# Altium PCB MB1166.PcbDoc (part 37 of 39) (continued)
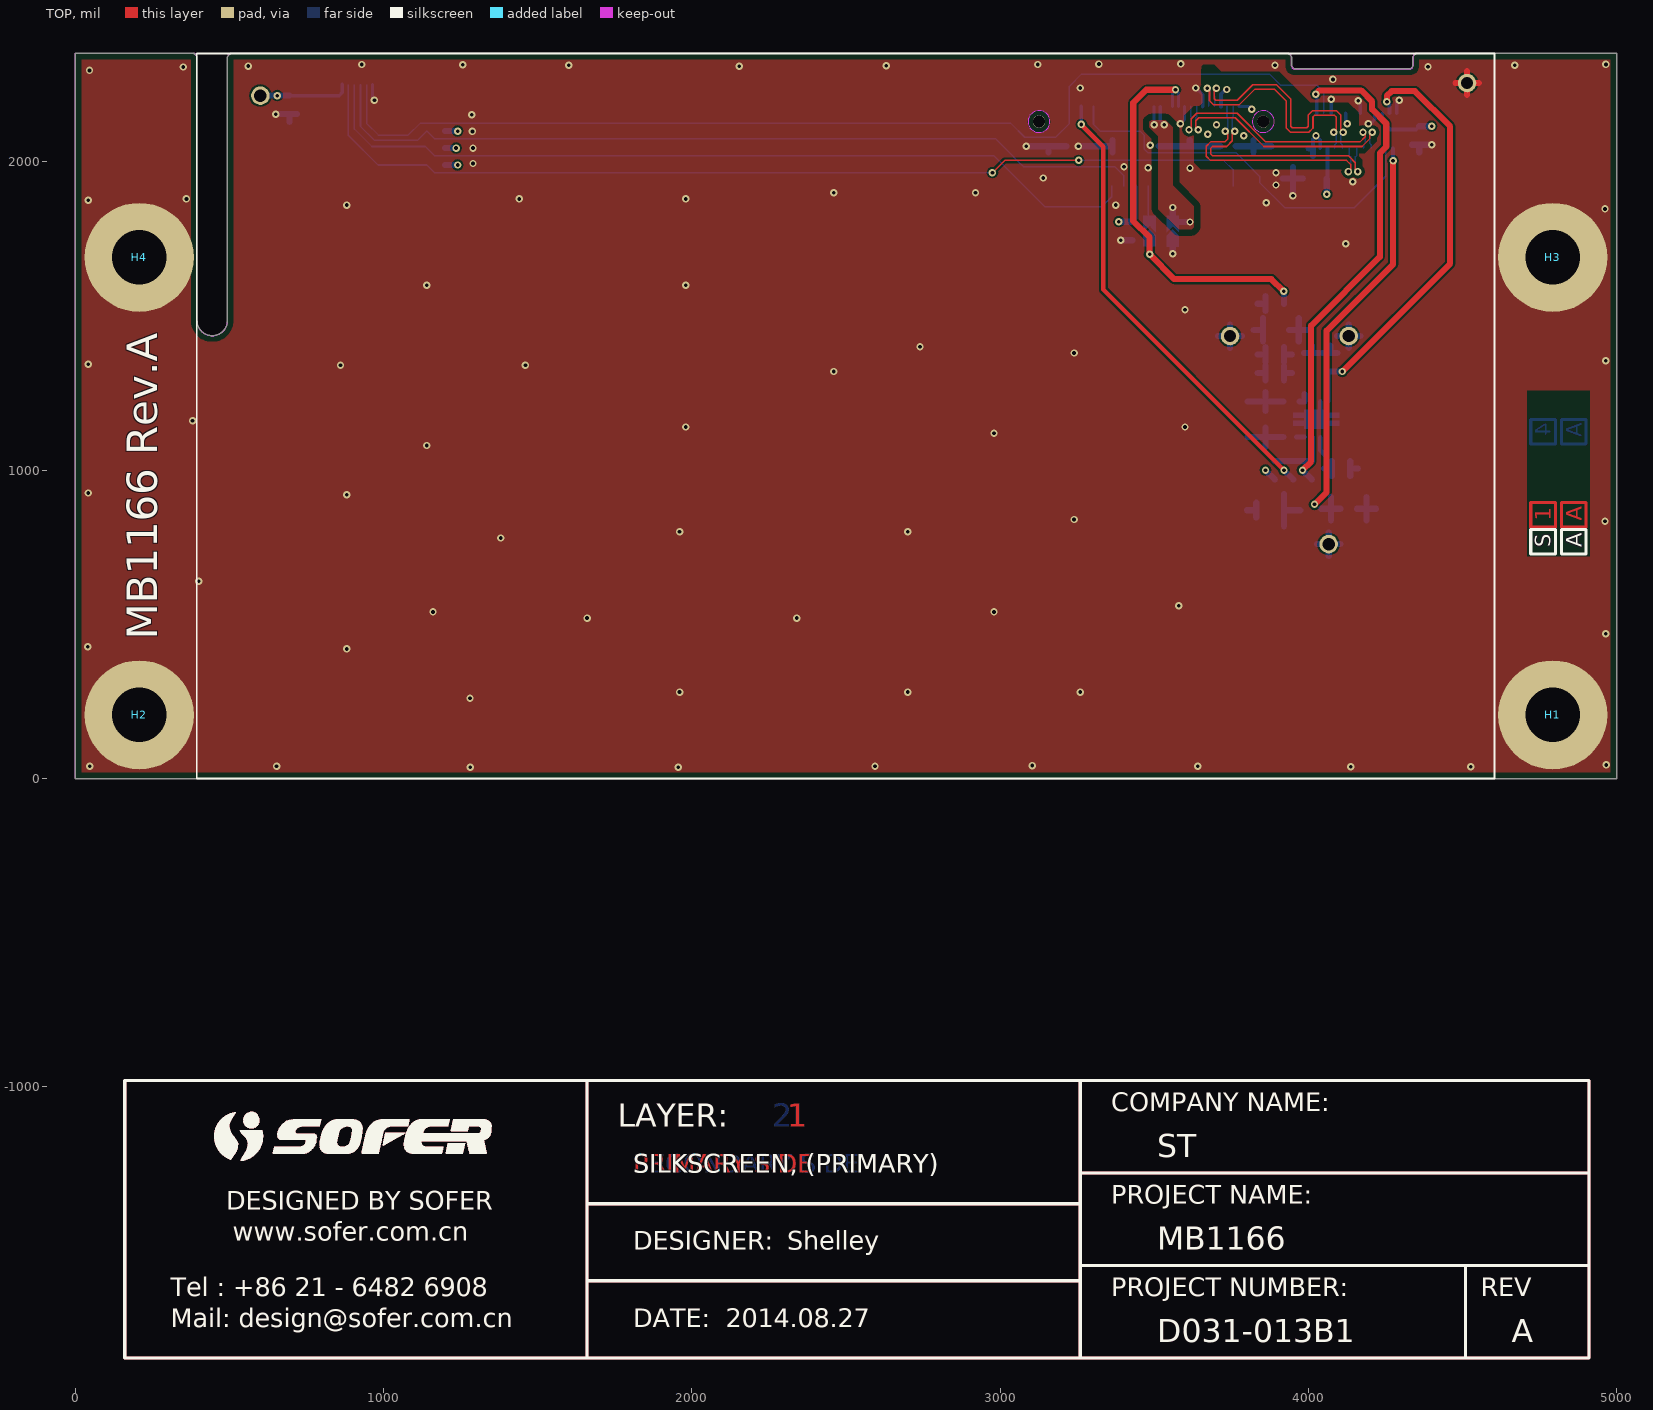
[diagram p0: TOP view]
## Nets (pads, with @x,y where several pads share a name; then routed paths per layer and width w, separated by ;. In a path a pad name is that pad's centre, name@x,y a point inside that pad or via, vN(x,y) a via of type N, cw(c..) or ccw(c..) an arc to the next point about the centre after c; other vN are vias at no path point) (continued)
; 551.03,-1216.42 551.13,-1216.24 ; 551.07,-1162.3 551.13,-1162.37 ; 551.07,-1162.3 551.13,-1162.37 ; 551.13,-1216.24 551.18,-1216.16 ; 551.13,-1216.24 551.18,-1216.16 ; 551.13,-1162.37 551.2,-1162.45 ; 551.13,-1162.37 551.2,-1162.45 ; 551.18,-1216.16 551.33,-1215.89 ; 551.18,-1216.16 551.33,-1215.89 ; 551.2,-1162.45 551.26,-1162.53 ; 551.2,-1162.45 551.26,-1162.53 ; 551.26,-1162.53 551.33,-1162.6 ; 551.26,-1162.53 551.33,-1162.6 ; 551.33,-1215.89 551.38,-1215.81 ; 551.33,-1215.89 551.38,-1215.81 ; 551.33,-1162.6 551.39,-1162.68 ; 551.33,-1162.6 551.39,-1162.68 ; 551.38,-1215.81 551.48,-1215.63 ; 551.38,-1215.81 551.48,-1215.63 ; 551.39,-1162.68 551.46,-1162.75 ; 551.39,-1162.68 551.46,-1162.75 ; 551.46,-1162.75 551.52,-1162.83 ; 551.46,-1162.75 551.52,-1162.83 ; 551.48,-1215.63 551.53,-1215.55 ; 551.48,-1215.63 551.53,-1215.55 ; 551.52,-1162.83 551.59,-1162.91 ; 551.52,-1162.83 551.59,-1162.91 ; 551.53,-1215.55 551.58,-1215.46 ; 551.53,-1215.55 551.58,-1215.46 ; 551.58,-1215.46 551.62,-1215.37 ; 551.58,-1215.46 551.62,-1215.37 ; 551.62,-1215.37 551.67,-1215.28 ; 551.62,-1215.37 551.67,-1215.28 ; 551.59,-1162.91 551.65,-1162.98 ; 551.59,-1162.91 551.65,-1162.98 ; 551.67,-1215.28 551.72,-1215.2 ; 551.67,-1215.28 551.72,-1215.2 ; 551.65,-1162.98 551.72,-1163.06 ; 551.65,-1162.98 551.72,-1163.06 ; 551.72,-1215.2 551.82,-1215.02 ; 551.72,-1215.2 551.82,-1215.02 ; 551.72,-1163.06 551.78,-1163.14 ; 551.72,-1163.06 551.78,-1163.14 ; 551.82,-1215.02 551.87,-1214.94 ; 551.82,-1215.02 551.87,-1214.94 ; 551.78,-1163.14 551.84,-1163.21 ; 551.78,-1163.14 551.84,-1163.21 ; 551.87,-1214.94 551.97,-1214.76 ; 551.87,-1214.94 551.97,-1214.76 ; 551.84,-1163.21 551.91,-1163.29 ; 551.84,-1163.21 551.91,-1163.29 ; 551.91,-1163.29 551.97,-1163.37 ; 551.91,-1163.29 551.97,-1163.37 ; 551.97,-1214.76 552.01,-1214.67 ; 551.97,-1214.76 552.01,-1214.67 ; 551.97,-1163.37 552.04,-1163.44 ; 551.97,-1163.37 552.04,-1163.44 ; 552.01,-1214.67 552.06,-1214.59 ; 552.01,-1214.67 552.06,-1214.59 ; 552.06,-1214.59 552.21,-1214.32 ; 552.06,-1214.59 552.21,-1214.32 ; 552.04,-1163.44 552.16,-1163.6 ; 552.04,-1163.44 552.16,-1163.6 ; 552.16,-1163.6 552.23,-1163.68 ; 552.16,-1163.6 552.23,-1163.68 ; 552.21,-1214.32 552.26,-1214.24 ; 552.21,-1214.32 552.26,-1214.24 ; 552.26,-1214.24 552.31,-1214.15 ; 552.26,-1214.24 552.31,-1214.15 ; 552.23,-1163.68 552.29,-1163.75 ; 552.23,-1163.68 552.29,-1163.75 ; 552.31,-1214.15 552.35,-1214.06 ; 552.31,-1214.15 552.35,-1214.06 ; 552.29,-1163.75 552.35,-1163.83 ; 552.29,-1163.75 552.35,-1163.83 ; 552.35,-1214.06 552.4,-1213.97 ; 552.35,-1214.06 552.4,-1213.97 ; 552.35,-1163.83 552.42,-1163.91 ; 552.35,-1163.83 552.42,-1163.91 ; 552.4,-1213.97 552.45,-1213.89 ; 552.4,-1213.97 552.45,-1213.89 ; 552.42,-1163.91 552.48,-1163.99 ; 552.42,-1163.91 552.48,-1163.99 ; 552.45,-1213.89 552.55,-1213.71 ; 552.45,-1213.89 552.55,-1213.71 ; 552.48,-1163.99 552.54,-1164.06 ; 552.48,-1163.99 552.54,-1164.06 ; 552.55,-1213.71 552.59,-1213.62 ; 552.55,-1213.71 552.59,-1213.62 ; 552.54,-1164.06 552.6,-1164.14 ; 552.54,-1164.06 552.6,-1164.14 ; 552.59,-1213.62 552.64,-1213.54 ; 552.59,-1213.62 552.64,-1213.54 ; 552.6,-1164.14 552.67,-1164.22 ; 552.6,-1164.14 552.67,-1164.22 ; 552.64,-1213.54 552.79,-1213.27 ; 552.64,-1213.54 552.79,-1213.27 ; 552.67,-1164.22 552.79,-1164.38 ; 552.67,-1164.22 552.79,-1164.38 ; 552.79,-1213.27 552.83,-1213.18 ; 552.79,-1213.27 552.83,-1213.18 ; 552.79,-1164.38 552.85,-1164.45 ; 552.79,-1164.38 552.85,-1164.45 ; 552.83,-1213.18 552.88,-1213.1 ; 552.83,-1213.18 552.88,-1213.1 ; 552.85,-1164.45 552.92,-1164.53 ; 552.85,-1164.45 552.92,-1164.53 ; 552.88,-1213.1 552.98,-1212.92 ; 552.88,-1213.1 552.98,-1212.92 ; 552.92,-1164.53 553.16,-1164.85 ; 552.92,-1164.53 553.16,-1164.85 ; 552.98,-1212.92 553.02,-1212.83 ; 552.98,-1212.92 553.02,-1212.83 ; 553.02,-1212.83 553.07,-1212.74 ; 553.02,-1212.83 553.07,-1212.74 ; 553.07,-1212.74 553.12,-1212.66 ; 553.07,-1212.74 553.12,-1212.66 ; 553.12,-1212.66 553.22,-1212.48 ; 553.12,-1212.66 553.22,-1212.48 ; 553.16,-1164.85 553.23,-1164.93 ; 553.16,-1164.85 553.23,-1164.93 ; 553.22,-1212.48 553.26,-1212.39 ; 553.22,-1212.48 553.26,-1212.39 ; 553.26,-1212.39 553.31,-1212.3 ; 553.26,-1212.39 553.31,-1212.3 ; 553.23,-1164.93 553.29,-1165 ; 553.23,-1164.93 553.29,-1165 ; 553.31,-1212.3 553.36,-1212.22 ; 553.31,-1212.3 553.36,-1212.22 ; 553.29,-1165 553.83,-1165.72 ; 553.29,-1165 553.83,-1165.72 ; 553.36,-1212.22 553.4,-1212.13 ; 553.36,-1212.22 553.4,-1212.13 ; 553.4,-1212.13 553.55,-1211.86 ; 553.4,-1212.13 553.55,-1211.86 ; 553.55,-1211.86 553.59,-1211.78 ; 553.55,-1211.86 553.59,-1211.78 ; 553.59,-1211.78 553.69,-1211.6 ; 553.59,-1211.78 553.69,-1211.6 ; 553.69,-1211.6 553.73,-1211.51 ; 553.69,-1211.6 553.73,-1211.51 ; 553.73,-1211.51 553.83,-1211.33 ; 553.73,-1211.51 553.83,-1211.33 ; 553.83,-1211.33 553.88,-1211.25 ; 553.83,-1211.33 553.88,-1211.25 ; 553.83,-1165.72 553.9,-1165.8 ; 553.83,-1165.72 553.9,-1165.8 ; 553.88,-1211.25 553.92,-1211.16 ; 553.88,-1211.25 553.92,-1211.16 ; 553.92,-1211.16 554.02,-1210.98 ; 553.92,-1211.16 554.02,-1210.98 ; 553.9,-1165.8 554.02,-1165.96 ; 553.9,-1165.8 554.02,-1165.96 ; 554.02,-1210.98 554.06,-1210.89 ; 554.02,-1210.98 554.06,-1210.89 ; 554.02,-1165.96 554.07,-1166.04 ; 554.02,-1165.96 554.07,-1166.04 ; 554.06,-1210.89 554.11,-1210.8 ; 554.06,-1210.89 554.11,-1210.8 ; 554.07,-1166.04 554.67,-1166.84 ; 554.07,-1166.04 554.67,-1166.84 ; 554.11,-1210.8 554.16,-1210.72 ; 554.11,-1210.8 554.16,-1210.72 ; 554.16,-1210.72 554.2,-1210.63 ; 554.16,-1210.72 554.2,-1210.63 ; 554.2,-1210.63 554.25,-1210.54 ; 554.2,-1210.63 554.25,-1210.54 ; 554.25,-1210.54 554.29,-1210.45 ; 554.25,-1210.54 554.29,-1210.45 ; 554.29,-1210.45 554.39,-1210.27 ; 554.29,-1210.45 554.39,-1210.27 ; 554.39,-1210.27 554.43,-1210.18 ; 554.39,-1210.27 554.43,-1210.18 ; 554.43,-1210.18 554.48,-1210.1 ; 554.43,-1210.18 554.48,-1210.1 ; 554.48,-1210.1 554.53,-1210.01 ; 554.48,-1210.1 554.53,-1210.01 ; 554.53,-1210.01 554.57,-1209.92 ; 554.53,-1210.01 554.57,-1209.92 ; 554.57,-1209.92 554.62,-1209.83 ; 554.57,-1209.92 554.62,-1209.83 ; 554.62,-1209.83 554.66,-1209.74 ; 554.62,-1209.83 554.66,-1209.74 ; 554.66,-1209.74 554.71,-1209.65 ; 554.66,-1209.74 554.71,-1209.65 ; 554.67,-1166.84 554.72,-1166.93 ; 554.67,-1166.84 554.72,-1166.93 ; 554.71,-1209.65 554.75,-1209.56 ; 554.71,-1209.65 554.75,-1209.56 ; 554.72,-1166.93 554.96,-1167.25 ; 554.72,-1166.93 554.96,-1167.25 ; 554.75,-1209.56 554.85,-1209.38 ; 554.75,-1209.56 554.85,-1209.38 ; 554.85,-1209.38 554.89,-1209.3 ; 554.85,-1209.38 554.89,-1209.3 ; 554.89,-1209.3 554.94,-1209.21 ; 554.89,-1209.3 554.94,-1209.21 ; 554.94,-1209.21 554.98,-1209.12 ; 554.94,-1209.21 554.98,-1209.12 ; 554.96,-1167.25 555.01,-1167.33 ; 554.96,-1167.25 555.01,-1167.33 ; 554.98,-1209.12 555.03,-1209.03 ; 554.98,-1209.12 555.03,-1209.03 ; 555.01,-1167.33 555.07,-1167.42 ; 555.01,-1167.33 555.07,-1167.42 ; 555.03,-1209.03 555.07,-1208.94 ; 555.03,-1209.03 555.07,-1208.94 ; 555.07,-1208.94 555.12,-1208.85 ; 555.07,-1208.94 555.12,-1208.85 ; 555.07,-1167.42 555.13,-1167.5 ; 555.07,-1167.42 555.13,-1167.5 ; 555.12,-1208.85 555.16,-1208.76 ; 555.12,-1208.85 555.16,-1208.76 ; 555.16,-1208.76 555.21,-1208.67 ; 555.16,-1208.76 555.21,-1208.67 ; 555.13,-1167.5 555.18,-1167.58 ; 555.13,-1167.5 555.18,-1167.58 ; 555.21,-1208.67 555.29,-1208.49 ; 555.21,-1208.67 555.29,-1208.49 ; 555.18,-1167.58 555.24,-1167.66 ; 555.18,-1167.58 555.24,-1167.66 ; 555.24,-1167.66 555.3,-1167.75 ; 555.24,-1167.66 555.3,-1167.75 ; 555.29,-1208.49 555.34,-1208.4 ; 555.29,-1208.49 555.34,-1208.4 ; 555.3,-1167.75 555.35,-1167.83 ; 555.3,-1167.75 555.35,-1167.83 ; 555.34,-1208.4 555.38,-1208.31 ; 555.34,-1208.4 555.38,-1208.31 ; 555.35,-1167.83 555.47,-1167.99 ; 555.35,-1167.83 555.47,-1167.99 ; 555.38,-1208.31 555.43,-1208.22 ; 555.38,-1208.31 555.43,-1208.22 ; 555.43,-1208.22 555.47,-1208.13 ; 555.43,-1208.22 555.47,-1208.13 ; 555.47,-1208.13 555.52,-1208.04 ; 555.47,-1208.13 555.52,-1208.04 ; 555.47,-1167.99 555.52,-1168.08 ; 555.47,-1167.99 555.52,-1168.08 ; 555.52,-1208.04 555.6,-1207.86 ; 555.52,-1208.04 555.6,-1207.86 ; 555.52,-1168.08 555.58,-1168.16 ; 555.52,-1168.08 555.58,-1168.16 ; 555.6,-1207.86 555.65,-1207.77 ; 555.6,-1207.86 555.65,-1207.77 ; 555.58,-1168.16 555.63,-1168.24 ; 555.58,-1168.16 555.63,-1168.24 ; 555.65,-1207.77 555.73,-1207.59 ; 555.65,-1207.77 555.73,-1207.59 ; 555.63,-1168.24 555.69,-1168.33 ; 555.63,-1168.24 555.69,-1168.33 ; 555.69,-1168.33 555.74,-1168.41 ; 555.69,-1168.33 555.74,-1168.41 ; 555.73,-1207.59 555.78,-1207.5 ; 555.73,-1207.59 555.78,-1207.5 ; 555.74,-1168.41 555.8,-1168.49 ; 555.74,-1168.41 555.8,-1168.49 ; 555.78,-1207.5 555.9,-1207.23 ; 555.78,-1207.5 555.9,-1207.23 ; 555.8,-1168.49 555.85,-1168.58 ; 555.8,-1168.49 555.85,-1168.58 ; 555.85,-1168.58 555.91,-1168.66 ; 555.85,-1168.58 555.91,-1168.66 ; 555.9,-1207.23 555.95,-1207.14 ; 555.9,-1207.23 555.95,-1207.14 ; 555.91,-1168.66 555.96,-1168.75 ; 555.91,-1168.66 555.96,-1168.75 ; 555.95,-1207.14 556.11,-1206.78 ; 555.95,-1207.14 556.11,-1206.78 ; 555.96,-1168.75 556.01,-1168.83 ; 555.96,-1168.75 556.01,-1168.83 ; 556.01,-1168.83 556.07,-1168.91 ; 556.01,-1168.83 556.07,-1168.91 ; 556.07,-1168.91 556.12,-1169 ; 556.07,-1168.91 556.12,-1169 ; 556.11,-1206.78 556.16,-1206.69 ; 556.11,-1206.78 556.16,-1206.69 ; 556.12,-1169 556.17,-1169.08 ; 556.12,-1169 556.17,-1169.08 ; 556.16,-1206.69 556.2,-1206.59 ; 556.16,-1206.69 556.2,-1206.59 ; 556.17,-1169.08 556.23,-1169.17 ; 556.17,-1169.08 556.23,-1169.17 ; 556.2,-1206.59 556.48,-1205.96 ; 556.2,-1206.59 556.48,-1205.96 ; 556.23,-1169.17 556.28,-1169.25 ; 556.23,-1169.17 556.28,-1169.25 ; 556.28,-1169.25 556.33,-1169.34 ; 556.28,-1169.25 556.33,-1169.34 ; 556.33,-1169.34 556.38,-1169.42 ; 556.33,-1169.34 556.38,-1169.42 ; 556.38,-1169.42 556.43,-1169.51 ; 556.38,-1169.42 556.43,-1169.51 ; 556.43,-1169.51 556.49,-1169.6 ; 556.43,-1169.51 556.49,-1169.6 ; 556.48,-1205.96 556.52,-1205.86 ; 556.48,-1205.96 556.52,-1205.86 ; 556.52,-1205.86 556.72,-1205.41 ; 556.52,-1205.86 556.72,-1205.41 ; 556.49,-1169.6 556.54,-1169.68 ; 556.49,-1169.6 556.54,-1169.68 ; 556.54,-1169.68 556.59,-1169.77 ; 556.54,-1169.68 556.59,-1169.77 ; 556.59,-1169.77 556.64,-1169.85 ; 556.59,-1169.77 556.64,-1169.85 ; 556.64,-1169.85 556.74,-1170.03 ; 556.64,-1169.85 556.74,-1170.03 ; 556.72,-1205.41 556.76,-1205.31 ; 556.72,-1205.41 556.76,-1205.31 ; 556.76,-1205.31 556.88,-1205.04 ; 556.76,-1205.31 556.88,-1205.04 ; 556.74,-1170.03 556.79,-1170.11 ; 556.74,-1170.03 556.79,-1170.11 ; 556.79,-1170.11 556.94,-1170.38 ; 556.79,-1170.11 556.94,-1170.38 ; 556.88,-1205.04 556.92,-1204.94 ; 556.88,-1205.04 556.92,-1204.94 ; 556.92,-1204.94 556.95,-1204.85 ; 556.92,-1204.94 556.95,-1204.85 ; 556.95,-1204.85 557.03,-1204.67 ; 556.95,-1204.85 557.03,-1204.67 ; 556.94,-1170.38 556.98,-1170.46 ; 556.94,-1170.38 556.98,-1170.46 ; 556.98,-1170.46 557.13,-1170.73 ; 556.98,-1170.46 557.13,-1170.73 ; 557.03,-1204.67 557.07,-1204.57 ; 557.03,-1204.67 557.07,-1204.57 ; 557.07,-1204.57 557.1,-1204.48 ; 557.07,-1204.57 557.1,-1204.48 ; 557.1,-1204.48 557.18,-1204.3 ; 557.1,-1204.48 557.18,-1204.3 ; 557.17,-1170.82 557.13,-1170.73 ; 557.17,-1170.82 557.22,-1170.9 ; 557.17,-1170.82 557.13,-1170.73 ; 557.17,-1170.82 557.22,-1170.9 ; 557.18,-1204.3 557.22,-1204.2 ; 557.18,-1204.3 557.22,-1204.2 ; 557.22,-1204.2 557.25,-1204.11 ; 557.22,-1204.2 557.25,-1204.11 ; 557.22,-1170.9 557.27,-1170.99 ; 557.22,-1170.9 557.27,-1170.99 ; 557.25,-1204.11 557.29,-1204.02 ; 557.25,-1204.11 557.29,-1204.02 ; 557.27,-1170.99 557.31,-1171.08 ; 557.27,-1170.99 557.31,-1171.08 ; 557.29,-1204.02 557.33,-1203.92 ; 557.29,-1204.02 557.33,-1203.92 ; 557.31,-1171.08 557.36,-1171.17 ; 557.31,-1171.08 557.36,-1171.17 ; 557.33,-1203.92 557.36,-1203.83 ; 557.33,-1203.92 557.36,-1203.83 ; 557.36,-1203.83 557.4,-1203.74 ; 557.36,-1203.83 557.4,-1203.74 ; 557.36,-1171.17 557.4,-1171.26 ; 557.36,-1171.17 557.4,-1171.26 ; 557.4,-1203.74 557.43,-1203.64 ; 557.4,-1203.74 557.43,-1203.64 ; 557.4,-1171.26 557.45,-1171.35 ; 557.4,-1171.26 557.45,-1171.35 ; 557.43,-1203.64 557.51,-1203.46 ; 557.43,-1203.64 557.51,-1203.46 ; 557.45,-1171.35 557.49,-1171.44 ; 557.45,-1171.35 557.49,-1171.44 ; 557.51,-1203.46 557.54,-1203.36 ; 557.51,-1203.46 557.54,-1203.36 ; 557.49,-1171.44 557.54,-1171.53 ; 557.49,-1171.44 557.54,-1171.53 ; 557.54,-1203.36 557.58,-1203.27 ; 557.54,-1203.36 557.58,-1203.27 ; 557.54,-1171.53 557.62,-1171.71 ; 557.54,-1171.53 557.62,-1171.71 ; 557.58,-1203.27 557.61,-1203.18 ; 557.58,-1203.27 557.61,-1203.18 ; 557.61,-1203.18 557.65,-1203.08 ; 557.61,-1203.18 557.65,-1203.08 ; 557.62,-1171.71 557.67,-1171.8 ; 557.62,-1171.71 557.67,-1171.8 ; 557.65,-1203.08 557.68,-1202.99 ; 557.65,-1203.08 557.68,-1202.99 ; 557.67,-1171.8 557.87,-1172.25 ; 557.67,-1171.8 557.87,-1172.25 ; 557.68,-1202.99 557.72,-1202.9 ; 557.68,-1202.99 557.72,-1202.9 ; 557.72,-1202.9 557.75,-1202.8 ; 557.72,-1202.9 557.75,-1202.8 ; 557.75,-1202.8 557.79,-1202.71 ; 557.75,-1202.8 557.79,-1202.71 ; 557.79,-1202.71 557.82,-1202.61 ; 557.79,-1202.71 557.82,-1202.61 ; 557.82,-1202.61 557.85,-1202.52 ; 557.82,-1202.61 557.85,-1202.52 ; 557.85,-1202.52 557.89,-1202.43 ; 557.85,-1202.52 557.89,-1202.43 ; 557.87,-1172.25 557.92,-1172.34 ; 557.87,-1172.25 557.92,-1172.34 ; 557.89,-1202.43 557.92,-1202.33 ; 557.89,-1202.43 557.92,-1202.33 ; 557.92,-1202.33 557.96,-1202.24 ; 557.92,-1202.33 557.96,-1202.24 ; 557.92,-1172.34 557.96,-1172.44 ; 557.92,-1172.34 557.96,-1172.44 ; 557.96,-1202.24 557.99,-1202.14 ; 557.96,-1202.24 557.99,-1202.14 ; 557.96,-1172.44 557.99,-1172.53 ; 557.96,-1172.44 557.99,-1172.53 ; 557.99,-1202.14 558.02,-1202.05 ; 557.99,-1202.14 558.02,-1202.05 ; 558.02,-1202.05 558.06,-1201.95 ; 558.02,-1202.05 558.06,-1201.95 ; 557.99,-1172.53 558.11,-1172.8 ; 557.99,-1172.53 558.11,-1172.8 ; 558.06,-1201.95 558.12,-1201.77 ; 558.06,-1201.95 558.12,-1201.77 ; 558.12,-1201.77 558.15,-1201.67 ; 558.12,-1201.77 558.15,-1201.67 ; 558.11,-1172.8 558.15,-1172.9 ; 558.11,-1172.8 558.15,-1172.9 ; 558.15,-1201.67 558.19,-1201.58 ; 558.15,-1201.67 558.19,-1201.58 ; 558.15,-1172.9 558.19,-1172.99 ; 558.15,-1172.9 558.19,-1172.99 ; 558.19,-1201.58 558.22,-1201.48 ; 558.19,-1201.58 558.22,-1201.48 ; 558.22,-1201.48 558.25,-1201.39 ; 558.22,-1201.48 558.25,-1201.39 ; 558.22,-1173.08 558.19,-1172.99 ; 558.22,-1173.08 558.26,-1173.18 ; 558.22,-1173.08 558.19,-1172.99 ; 558.22,-1173.08 558.26,-1173.18 ; 558.25,-1201.39 558.28,-1201.29 ; 558.25,-1201.39 558.28,-1201.29 ; 558.26,-1173.18 558.3,-1173.27 ; 558.26,-1173.18 558.3,-1173.27 ; 558.28,-1201.29 558.32,-1201.2 ; 558.28,-1201.29 558.32,-1201.2 ; 558.32,-1201.2 558.35,-1201.1 ; 558.32,-1201.2 558.35,-1201.1 ; 558.3,-1173.27 558.33,-1173.36 ; 558.3,-1173.27 558.33,-1173.36 ; 558.35,-1201.1 558.38,-1201.01 ; 558.35,-1201.1 558.38,-1201.01 ; 558.37,-1173.46 558.33,-1173.36 ; 558.37,-1173.46 558.4,-1173.55 ; 558.37,-1173.46 558.33,-1173.36 ; 558.37,-1173.46 558.4,-1173.55 ; 558.38,-1201.01 558.41,-1200.91 ; 558.38,-1201.01 558.41,-1200.91 ; 558.41,-1200.91 558.44,-1200.82 ; 558.41,-1200.91 558.44,-1200.82 ; 558.4,-1173.55 558.44,-1173.64 ; 558.4,-1173.55 558.44,-1173.64 ; 558.44,-1200.82 558.47,-1200.72 ; 558.44,-1200.82 558.47,-1200.72 ; 558.47,-1200.72 558.5,-1200.63 ; 558.47,-1200.72 558.5,-1200.63 ; 558.47,-1173.74 558.44,-1173.64 ; 558.47,-1173.74 558.51,-1173.83 ; 558.47,-1173.74 558.44,-1173.64 ; 558.47,-1173.74 558.51,-1173.83 ; 558.5,-1200.63 558.54,-1200.53 ; 558.5,-1200.63 558.54,-1200.53 ; 558.51,-1173.83 558.54,-1173.93 ; 558.51,-1173.83 558.54,-1173.93 ; 558.54,-1200.53 558.57,-1200.44 ; 558.54,-1200.53 558.57,-1200.44 ; 558.57,-1200.44 558.6,-1200.34 ; 558.57,-1200.44 558.6,-1200.34 ; 558.54,-1173.93 558.6,-1174.11 ; 558.54,-1173.93 558.6,-1174.11 ; 558.6,-1200.34 558.63,-1200.25 ; 558.6,-1200.34 558.63,-1200.25 ; 558.6,-1174.11 558.64,-1174.21 ; 558.6,-1174.11 558.64,-1174.21 ; 558.63,-1200.25 558.66,-1200.15 ; 558.63,-1200.25 558.66,-1200.15 ; 558.66,-1200.15 558.69,-1200.06 ; 558.66,-1200.15 558.69,-1200.06 ; 558.67,-1174.3 558.64,-1174.21 ; 558.67,-1174.3 558.7,-1174.4 ; 558.67,-1174.3 558.64,-1174.21 ; 558.67,-1174.3 558.7,-1174.4 ; 558.69,-1200.06 558.72,-1199.96 ; 558.69,-1200.06 558.72,-1199.96 ; 558.72,-1199.96 558.75,-1199.87 ; 558.72,-1199.96 558.75,-1199.87 ; 558.7,-1174.4 558.73,-1174.49 ; 558.7,-1174.4 558.73,-1174.49 ; 558.75,-1199.87 558.78,-1199.77 ; 558.75,-1199.87 558.78,-1199.77 ; 558.76,-1174.59 558.73,-1174.49 ; 558.76,-1174.59 558.79,-1174.68 ; 558.76,-1174.59 558.73,-1174.49 ; 558.76,-1174.59 558.79,-1174.68 ; 558.78,-1199.77 558.81,-1199.68 ; 558.78,-1199.77 558.81,-1199.68 ; 558.81,-1199.68 558.87,-1199.48 ; 558.81,-1199.68 558.87,-1199.48 ; 558.82,-1174.78 558.79,-1174.68 ; 558.82,-1174.78 558.85,-1174.87 ; 558.82,-1174.78 558.79,-1174.68 ; 558.82,-1174.78 558.85,-1174.87 ; 558.87,-1199.48 558.9,-1199.39 ; 558.87,-1199.48 558.9,-1199.39 ; 558.85,-1174.87 558.91,-1175.07 ; 558.85,-1174.87 558.91,-1175.07 ; 558.9,-1199.39 558.93,-1199.29 ; 558.9,-1199.39 558.93,-1199.29 ; 558.91,-1175.07 558.94,-1175.16 ; 558.91,-1175.07 558.94,-1175.16 ; 558.93,-1199.29 558.95,-1199.2 ; 558.93,-1199.29 558.95,-1199.2 ; 558.95,-1199.2 558.98,-1199.1 ; 558.95,-1199.2 558.98,-1199.1 ; 558.97,-1175.26 558.94,-1175.16 ; 558.97,-1175.26 559,-1175.35 ; 558.97,-1175.26 558.94,-1175.16 ; 558.97,-1175.26 559,-1175.35 ; 558.98,-1199.1 559.01,-1199.01 ; 558.98,-1199.1 559.01,-1199.01 ; 559.01,-1199.01 559.07,-1198.81 ; 559.01,-1199.01 559.07,-1198.81 ; 559,-1175.35 559.03,-1175.45 ; 559,-1175.35 559.03,-1175.45 ; 559.07,-1198.81 559.1,-1198.72 ; 559.07,-1198.81 559.1,-1198.72 ; 559.05,-1175.55 559.03,-1175.45 ; 559.05,-1175.55 559.08,-1175.64 ; 559.05,-1175.55 559.03,-1175.45 ; 559.05,-1175.55 559.08,-1175.64 ; 559.1,-1198.72 559.13,-1198.62 ; 559.1,-1198.72 559.13,-1198.62 ; 559.11,-1175.74 559.08,-1175.64 ; 559.11,-1175.74 559.14,-1175.83 ; 559.11,-1175.74 559.08,-1175.64 ; 559.11,-1175.74 559.14,-1175.83 ; 559.13,-1198.62 559.15,-1198.53 ; 559.13,-1198.62 559.15,-1198.53 ; 559.15,-1198.53 559.21,-1198.33 ; 559.15,-1198.53 559.21,-1198.33 ; 559.16,-1175.93 559.14,-1175.83 ; 559.16,-1175.93 559.19,-1176.03 ; 559.16,-1175.93 559.14,-1175.83 ; 559.16,-1175.93 559.19,-1176.03 ; 559.21,-1198.33 559.24,-1198.24 ; 559.21,-1198.33 559.24,-1198.24 ; 559.21,-1176.12 559.19,-1176.03 ; 559.21,-1176.12 559.27,-1176.32 ; 559.21,-1176.12 559.19,-1176.03 ; 559.21,-1176.12 559.27,-1176.32 ; 559.24,-1198.24 559.26,-1198.14 ; 559.24,-1198.24 559.26,-1198.14 ; 559.26,-1198.14 559.29,-1198.05 ; 559.26,-1198.14 559.29,-1198.05 ; 559.27,-1176.32 559.29,-1176.41 ; 559.27,-1176.32 559.29,-1176.41 ; 559.29,-1198.05 559.35,-1197.85 ; 559.29,-1198.05 559.35,-1197.85 ; 559.31,-1176.51 559.29,-1176.41 ; 559.31,-1176.51 559.34,-1176.61 ; 559.31,-1176.51 559.29,-1176.41 ; 559.31,-1176.51 559.34,-1176.61 ; 559.35,-1197.85 559.37,-1197.76 ; 559.35,-1197.85 559.37,-1197.76 ; 559.37,-1197.76 559.4,-1197.66 ; 559.37,-1197.76 559.4,-1197.66 ; 559.36,-1176.7 559.34,-1176.61 ; 559.36,-1176.7 559.39,-1176.8 ; 559.36,-1176.7 559.34,-1176.61 ; 559.36,-1176.7 559.39,-1176.8 ; 559.4,-1197.66 559.42,-1197.56 ; 559.4,-1197.66 559.42,-1197.56 ; 559.42,-1197.56 559.45,-1197.47 ; 559.42,-1197.56 559.45,-1197.47 ; 559.39,-1176.8 559.43,-1177 ; 559.39,-1176.8 559.43,-1177 ; 559.45,-1197.47 559.48,-1197.37 ; 559.45,-1197.47 559.48,-1197.37 ; 559.46,-1177.09 559.43,-1177 ; 559.46,-1177.09 559.5,-1177.29 ; 559.46,-1177.09 559.43,-1177 ; 559.46,-1177.09 559.5,-1177.29 ; 559.48,-1197.37 559.5,-1197.27 ; 559.48,-1197.37 559.5,-1197.27 ; 559.5,-1197.27 559.53,-1197.18 ; 559.5,-1197.27 559.53,-1197.18 ; 559.5,-1177.29 559.53,-1177.39 ; 559.5,-1177.29 559.53,-1177.39 ; 559.53,-1197.18 559.55,-1197.08 ; 559.53,-1197.18 559.55,-1197.08 ; 559.55,-1197.08 559.58,-1196.98 ; 559.55,-1197.08 559.58,-1196.98 ; 559.55,-1177.48 559.53,-1177.39 ; 559.55,-1177.48 559.61,-1177.78 ; 559.55,-1177.48 559.53,-1177.39 ; 559.55,-1177.48 559.61,-1177.78 ; 559.58,-1196.98 559.6,-1196.89 ; 559.58,-1196.98 559.6,-1196.89 ; 559.6,-1196.89 559.63,-1196.79 ; 559.6,-1196.89 559.63,-1196.79 ; 559.61,-1177.78 559.64,-1177.87 ; 559.61,-1177.78 559.64,-1177.87 ; 559.63,-1196.79 559.65,-1196.69 ; 559.63,-1196.79 559.65,-1196.69 ; 559.65,-1196.69 559.68,-1196.6 ; 559.65,-1196.69 559.68,-1196.6 ; 559.64,-1177.87 559.7,-1178.17 ; 559.64,-1177.87 559.7,-1178.17 ; 559.68,-1196.6 559.7,-1196.5 ; 559.68,-1196.6 559.7,-1196.5 ; 559.7,-1196.5 559.73,-1196.4 ; 559.7,-1196.5 559.73,-1196.4 ; 559.72,-1178.26 559.7,-1178.17 ; 559.72,-1178.26 559.8,-1178.66 ; 559.72,-1178.26 559.7,-1178.17 ; 559.72,-1178.26 559.8,-1178.66 ; 559.73,-1196.4 559.75,-1196.31 ; 559.73,-1196.4 559.75,-1196.31 ; 559.75,-1196.31 559.77,-1196.21 ; 559.75,-1196.31 559.77,-1196.21 ; 559.77,-1196.21 559.8,-1196.11 ; 559.77,-1196.21 559.8,-1196.11 ; 559.8,-1196.11 559.82,-1196.01 ; 559.8,-1196.11 559.82,-1196.01 ; 559.82,-1196.01 559.84,-1195.92 ; 559.82,-1196.01 559.84,-1195.92 ; 559.82,-1178.75 559.8,-1178.66 ; 559.82,-1178.75 559.9,-1179.15 ; 559.82,-1178.75 559.8,-1178.66 ; 559.82,-1178.75 559.9,-1179.15 ; 559.84,-1195.92 559.87,-1195.82 ; 559.84,-1195.92 559.87,-1195.82 ; 559.87,-1195.82 559.91,-1195.62 ; 559.87,-1195.82 559.91,-1195.62 ; 559.91,-1195.62 559.93,-1195.53 ; 559.91,-1195.62 559.93,-1195.53 ; 559.91,-1179.25 559.9,-1179.15 ; 559.91,-1179.25 559.93,-1179.34 ; 559.91,-1179.25 559.9,-1179.15 ; 559.91,-1179.25 559.93,-1179.34 ; 559.93,-1195.53 559.95,-1195.43 ; 559.93,-1195.53 559.95,-1195.43 ; 559.95,-1195.43 559.98,-1195.33 ; 559.95,-1195.43 559.98,-1195.33 ; 559.93,-1179.34 559.99,-1179.64 ; 559.93,-1179.34 559.99,-1179.64 ; 559.98,-1195.33 560,-1195.23 ; 559.98,-1195.33 560,-1195.23 ; 560,-1195.23 560.02,-1195.14 ; 560,-1195.23 560.02,-1195.14 ; 560.02,-1195.14 560.1,-1194.74 ; 560.02,-1195.14 560.1,-1194.74 ; 560.02,-1179.84 560,-1179.74 ; 560.02,-1179.84 560.04,-1179.93 ; 560.02,-1179.84 560,-1179.74 ; 560.02,-1179.84 560.04,-1179.93 ; 560,-1179.74 559.99,-1179.64 ; 560,-1179.74 559.99,-1179.64 ; 560.07,-1180.13 560.06,-1180.03 ; 560.07,-1180.13 560.11,-1180.33 ; 560.07,-1180.13 560.06,-1180.03 ; 560.07,-1180.13 560.11,-1180.33 ; 560.06,-1180.03 560.04,-1179.93 ; 560.06,-1180.03 560.04,-1179.93 ; 560.1,-1194.74 560.12,-1194.65 ; 560.1,-1194.74 560.12,-1194.65 ; 560.12,-1194.65 560.2,-1194.25 ; 560.12,-1194.65 560.2,-1194.25 ; 560.12,-1180.43 560.11,-1180.33 ; 560.12,-1180.43 560.14,-1180.53 ; 560.12,-1180.43 560.11,-1180.33 ; 560.12,-1180.43 560.14,-1180.53 ; 560.17,-1180.72 560.15,-1180.62 ; 560.17,-1180.72 560.18,-1180.82 ; 560.17,-1180.72 560.15,-1180.62 ; 560.17,-1180.72 560.18,-1180.82 ; 560.15,-1180.62 560.14,-1180.53 ; 560.15,-1180.62 560.14,-1180.53 ; 560.2,-1194.25 560.22,-1194.16 ; 560.2,-1194.25 560.22,-1194.16 ; 560.22,-1194.16 560.24,-1194.06 ; 560.22,-1194.16 560.24,-1194.06 ; 560.22,-1181.02 560.18,-1180.82 ; 560.22,-1181.02 560.24,-1181.22 ; 560.22,-1181.02 560.18,-1180.82 ; 560.22,-1181.02 560.24,-1181.22 ; 560.24,-1194.06 560.25,-1193.96 ; 560.24,-1194.06 560.25,-1193.96 ; 560.25,-1193.96 560.31,-1193.66 ; 560.25,-1193.96 560.31,-1193.66 ; 560.27,-1181.42 560.26,-1181.32 ; 560.27,-1181.42 560.29,-1181.51 ; 560.27,-1181.42 560.26,-1181.32 ; 560.27,-1181.42 560.29,-1181.51 ; 560.26,-1181.32 560.24,-1181.22 ; 560.26,-1181.32 560.24,-1181.22 ; 560.31,-1193.66 560.32,-1193.57 ; 560.31,-1193.66 560.32,-1193.57 ; 560.32,-1193.57 560.36,-1193.37 ; 560.32,-1193.57 560.36,-1193.37 ; 560.32,-1181.71 560.3,-1181.61 ; 560.32,-1181.71 560.34,-1181.91 ; 560.32,-1181.71 560.3,-1181.61 ; 560.32,-1181.71 560.34,-1181.91 ; 560.3,-1181.61 560.29,-1181.51 ; 560.3,-1181.61 560.29,-1181.51 ; 560.36,-1193.37 560.37,-1193.27 ; 560.36,-1193.37 560.37,-1193.27 ; 560.37,-1193.27 560.39,-1193.17 ; 560.37,-1193.27 560.39,-1193.17 ; 560.36,-1182.01 560.34,-1181.91 ; 560.36,-1182.01 560.39,-1182.31 ; 560.36,-1182.01 560.34,-1181.91 ; 560.36,-1182.01 560.39,-1182.31 ; 560.39,-1193.17 560.4,-1193.07 ; 560.39,-1193.17 560.4,-1193.07 ; 560.4,-1193.07 560.42,-1192.97 ; 560.4,-1193.07 560.42,-1192.97 ; 560.42,-1192.97 560.43,-1192.87 ; 560.42,-1192.97 560.43,-1192.87 ; 560.41,-1182.41 560.39,-1182.31 ; 560.41,-1182.41 560.43,-1182.61 ; 560.41,-1182.41 560.39,-1182.31 ; 560.41,-1182.41 560.43,-1182.61 ; 560.43,-1192.87 560.45,-1192.78 ; 560.43,-1192.87 560.45,-1192.78 ; 560.45,-1192.78 560.46,-1192.68 ; 560.45,-1192.78 560.46,-1192.68 ; 560.46,-1192.68 560.48,-1192.58 ; 560.46,-1192.68 560.48,-1192.58 ; 560.47,-1182.9 560.45,-1182.8 ; 560.47,-1182.9 560.6,-1184.2 ; 560.47,-1182.9 560.45,-1182.8 ; 560.47,-1182.9 560.6,-1184.2 ; 560.45,-1182.8 560.44,-1182.7 ; 560.45,-1182.8 560.44,-1182.7 ; 560.44,-1182.7 560.43,-1182.61 ; 560.44,-1182.7 560.43,-1182.61 ; 560.48,-1192.58 560.5,-1192.38 ; 560.48,-1192.58 560.5,-1192.38 ; 560.5,-1192.38 560.52,-1192.28 ; 560.5,-1192.38 560.52,-1192.28 ; 560.52,-1192.28 560.54,-1192.08 ; 560.52,-1192.28 560.54,-1192.08 ; 560.54,-1192.08 560.56,-1191.98 ; 560.54,-1192.08 560.56,-1191.98 ; 560.56,-1191.98 560.59,-1191.68 ; 560.56,-1191.98 560.59,-1191.68 ; 560.59,-1191.68 560.6,-1191.59 ; 560.59,-1191.68 560.6,-1191.59 ; 560.6,-1191.59 560.68,-1190.79 ; 560.6,-1191.59 560.68,-1190.79 ; 560.6,-1184.3 560.6,-1184.2 ; 560.6,-1184.3 560.64,-1184.7 ; 560.6,-1184.3 560.6,-1184.2 ; 560.6,-1184.3 560.64,-1184.7 ; 560.67,-1185.19 560.67,-1185.09 ; 560.67,-1185.19 560.69,-1185.39 ; 560.67,-1185.19 560.67,-1185.09 ; 560.67,-1185.19 560.69,-1185.39 ; 560.67,-1185.09 560.65,-1184.89 ; 560.67,-1185.09 560.65,-1184.89 ; 560.65,-1184.89 560.65,-1184.79 ; 560.65,-1184.89 560.65,-1184.79 ; 560.65,-1184.79 560.64,-1184.7 ; 560.65,-1184.79 560.64,-1184.7 ; 560.68,-1190.79 560.68,-1190.69 ; 560.68,-1190.79 560.68,-1190.69 ; 560.68,-1190.69 560.71,-1190.39 ; 560.68,-1190.69 560.71,-1190.39 ; 560.71,-1190.39 560.71,-1190.29 ; 560.71,-1190.39 560.71,-1190.29 ; 560.71,-1190.29 560.72,-1190.19 ; 560.71,-1190.29 560.72,-1190.19 ; 560.72,-1190.19 560.72,-1190.09 ; 560.72,-1190.19 560.72,-1190.09 ; 560.72,-1190.09 560.74,-1189.89 ; 560.72,-1190.09 560.74,-1189.89 ; 560.72,-1185.99 560.72,-1185.89 ; 560.72,-1185.99 560.73,-1186.09 ; 560.72,-1185.99 560.72,-1185.89 ; 560.72,-1185.99 560.73,-1186.09 ; 560.72,-1185.89 560.71,-1185.79 ; 560.72,-1185.89 560.71,-1185.79 ; 560.71,-1185.79 560.71,-1185.69 ; 560.71,-1185.79 560.71,-1185.69 ; 560.71,-1185.69 560.69,-1185.49 ; 560.71,-1185.69 560.69,-1185.49 ; 560.69,-1185.49 560.69,-1185.39 ; 560.69,-1185.49 560.69,-1185.39 ; 560.74,-1189.89 560.74,-1189.79 ; 560.74,-1189.89 560.74,-1189.79 ; 560.74,-1189.79 560.75,-1189.69 ; 560.74,-1189.79 560.75,-1189.69 ; 560.75,-1189.69 560.75,-1189.49 ; 560.75,-1189.69 560.75,-1189.49 ; 560.75,-1189.49 560.76,-1189.39 ; 560.75,-1189.49 560.76,-1189.39 ; 560.76,-1189.39 560.76,-1189.19 ; 560.76,-1189.39 560.76,-1189.19 ; 560.76,-1189.19 560.77,-1189.09 ; 560.76,-1189.19 560.77,-1189.09 ; 560.77,-1189.09 560.77,-1188.79 ; 560.77,-1189.09 560.77,-1188.79 ; 560.77,-1188.79 560.78,-1188.69 ; 560.77,-1188.79 560.78,-1188.69 ; 560.77,-1187.49 560.77,-1187.09 ; 560.77,-1187.49 560.78,-1187.59 ; 560.77,-1187.49 560.77,-1187.09 ; 560.77,-1187.49 560.78,-1187.59 ; 560.77,-1187.09 560.76,-1186.99 ; 560.77,-1187.09 560.76,-1186.99 ; 560.76,-1186.99 560.76,-1186.79 ; 560.76,-1186.99 560.76,-1186.79 ; 560.76,-1186.79 560.75,-1186.69 ; 560.76,-1186.79 560.75,-1186.69 ; 560.75,-1186.69 560.75,-1186.49 ; 560.75,-1186.69 560.75,-1186.49 ; 560.75,-1186.49 560.74,-1186.39 ; 560.75,-1186.49 560.74,-1186.39 ; 560.74,-1186.39 560.74,-1186.29 ; 560.74,-1186.39 560.74,-1186.29 ; 560.74,-1186.29 560.73,-1186.19 ; 560.74,-1186.29 560.73,-1186.19 ; 560.73,-1186.19 560.73,-1186.09 ; 560.73,-1186.19 560.73,-1186.09 ; 560.78,-1188.69 560.78,-1187.59 ; 560.78,-1188.69 560.78,-1187.59 ; 596.79,-1108.57 ccw(c571.14,-1108.57) 596.79,-1108.57
  BOTTOM w10: 1660,-1880 1660,-980 ; 1660,-1630 3260,-1630 ; 1660,-1380 3260,-1380 ; 3260,-1880 3260,-980 ; 3260,-1580 4910,-1580 ; 3260,-1280 4910,-1280 ; 4510,-1880 4510,-1580 ; 4721.48,1084.62 4801.48,1084.62 ; 4721.48,1084.62 4721.48,1164.62 ; 4721.48,1084.62 4801.48,1084.62 ; 4721.48,1084.62 4721.48,1164.62 ; 4721.48,1164.62 4801.48,1164.62 ; 4721.48,1164.62 4801.48,1164.62 ; 4801.48,1084.62 4801.48,1164.62 ; 4801.48,1084.62 4801.48,1164.62 ; 4821.48,1084.62 4901.48,1084.62 ; 4821.48,1084.62 4821.48,1164.62 ; 4821.48,1084.62 4901.48,1084.62 ; 4821.48,1084.62 4821.48,1164.62 ; 4821.48,1164.62 4901.48,1164.62 ; 4821.48,1164.62 4901.48,1164.62 ; 4901.48,1084.62 4901.48,1164.62 ; 4901.48,1084.62 4901.48,1164.62 ; 160,-1880 4910,-1880 4910,-980 160,-980 160,-1880

## Polygon pours and split planes (outlines as drawn)
no net on ORIGIN (solid): 0,-100 8.72,-99.62 17.36,-98.48 25.88,-96.59 34.2,-93.97 42.26,-90.63 50,-86.6 57.36,-81.92 64.28,-76.6 70.71,-70.71 76.6,-64.28 81.92,-57.36 86.6,-50 90.63,-42.26 93.97,-34.2 96.59,-25.88 98.48,-17.36 99.62,-8.72 100,0 0,0 0,-100